# Altium PCB ultra.PcbDoc (part 2 of 9) (continued)
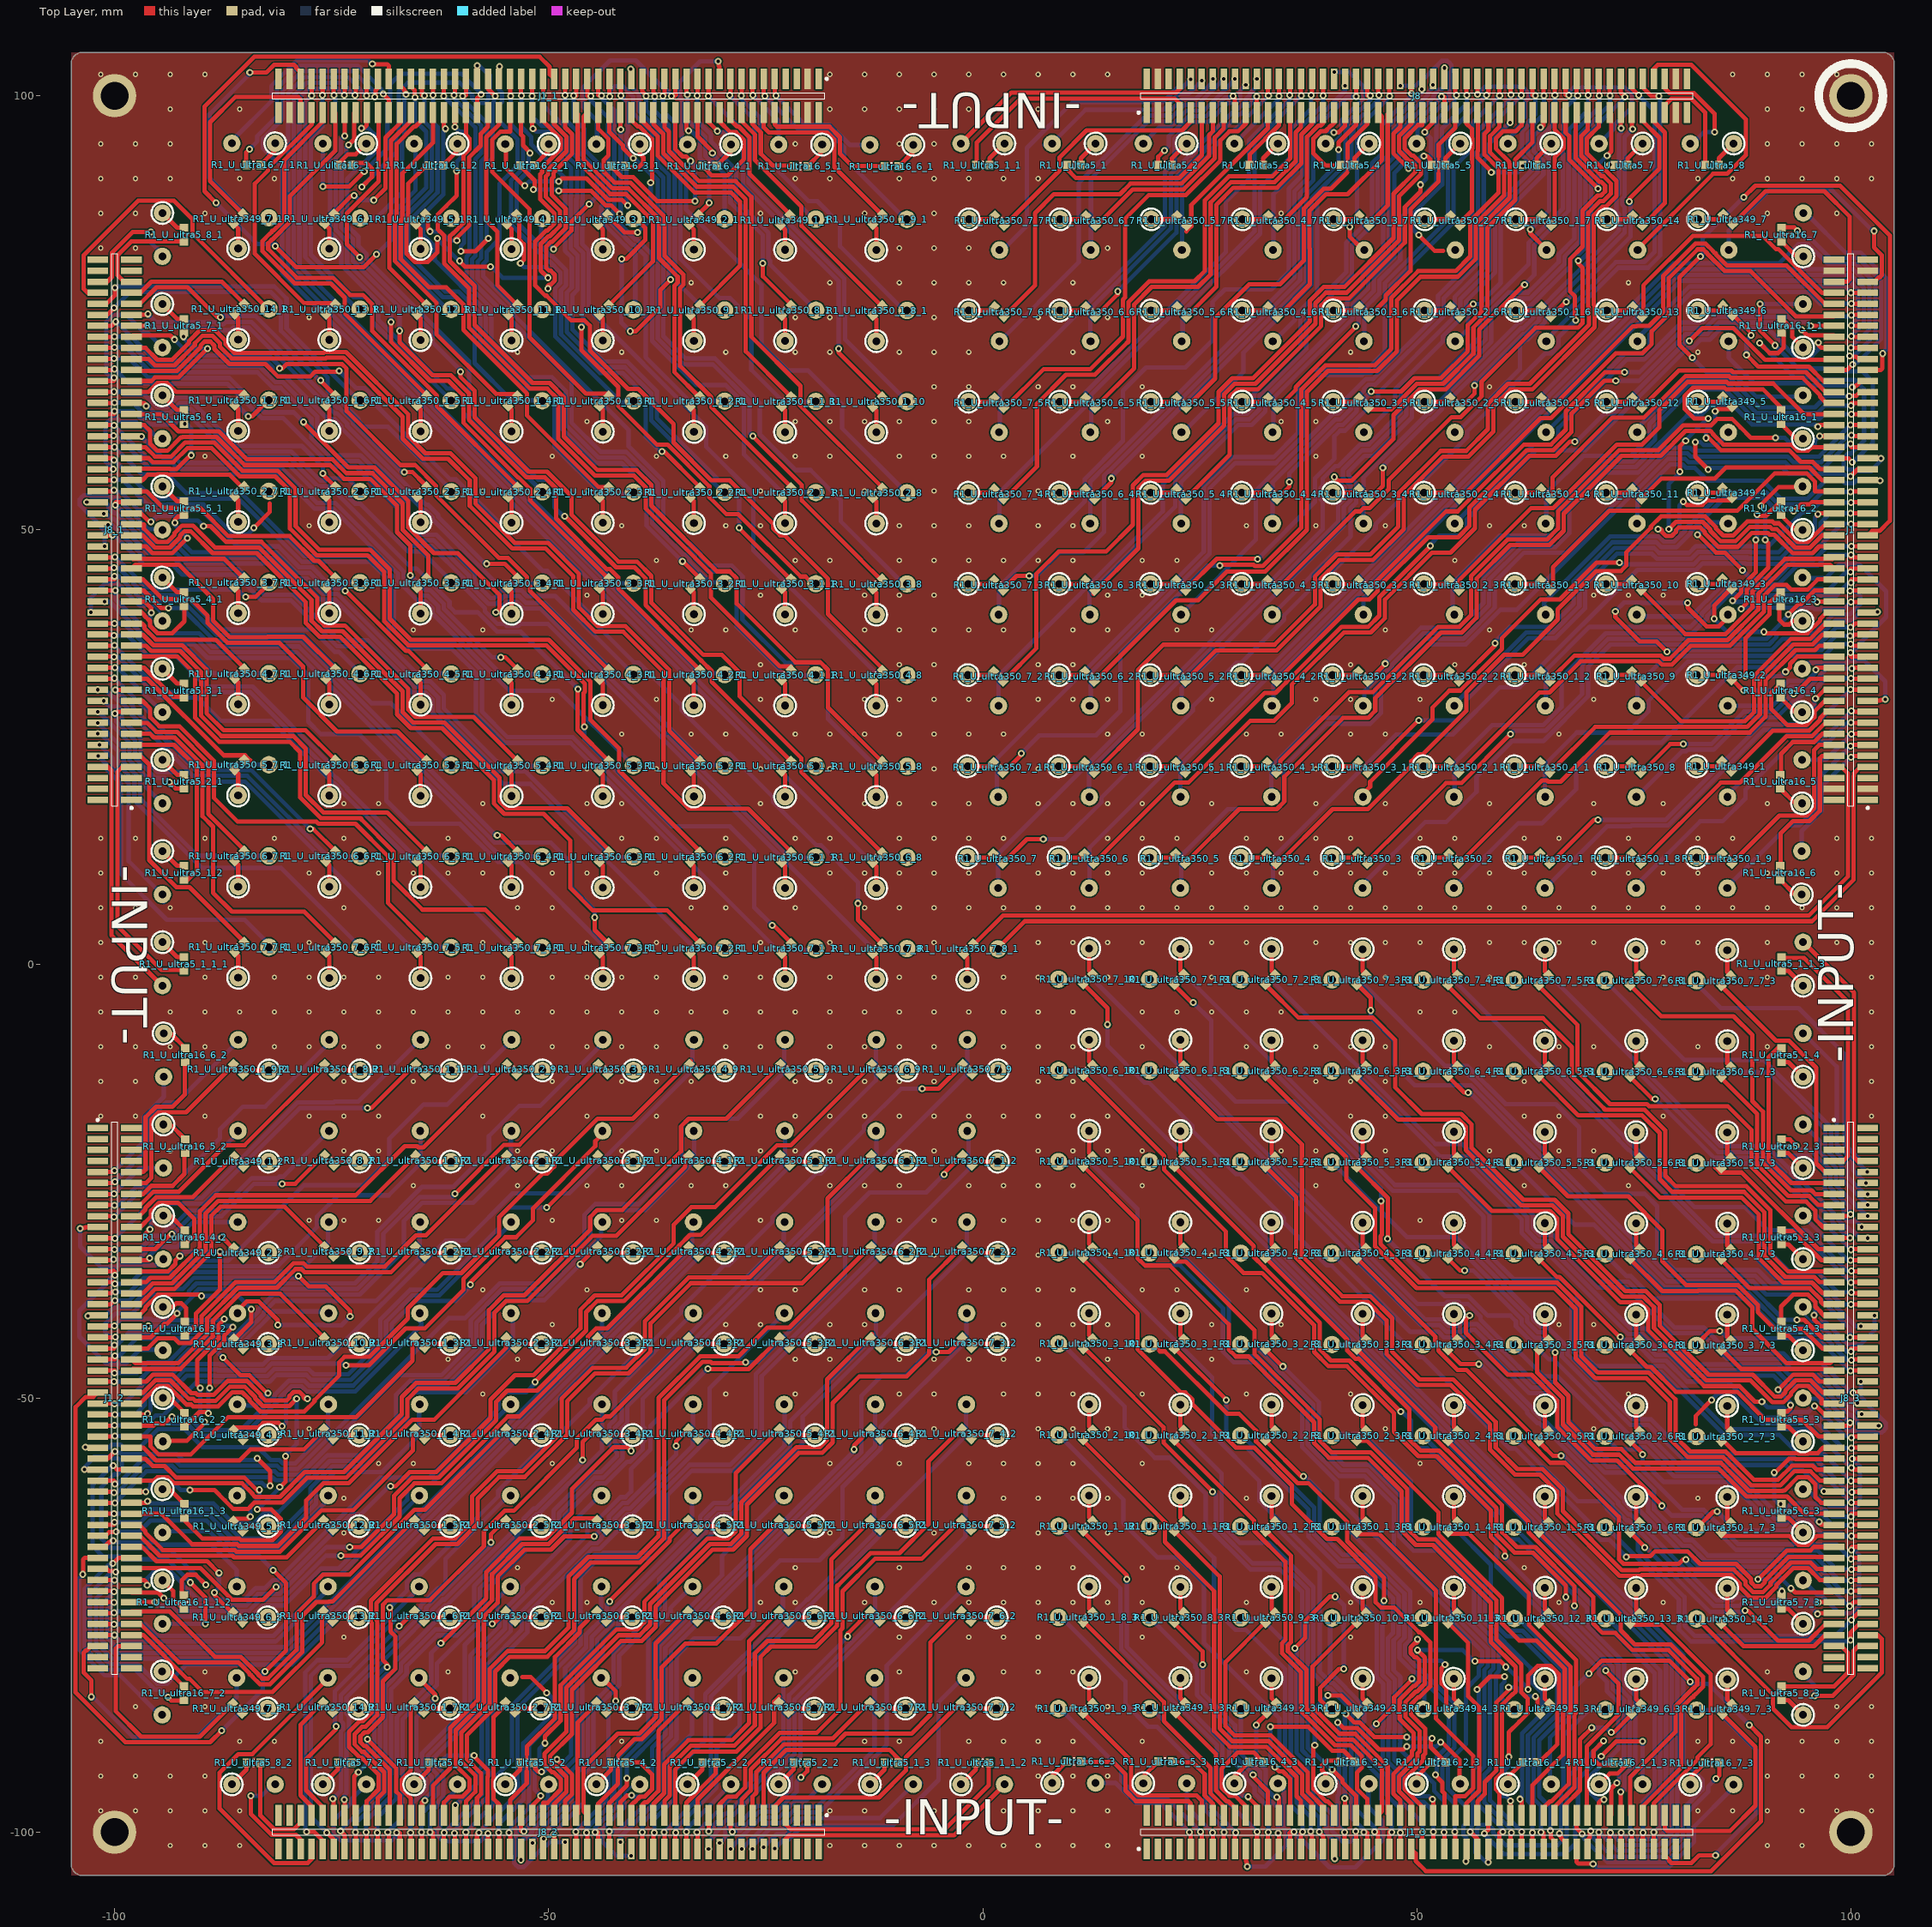
[diagram p0: Top Layer view]
## Components (designator, comment, footprint, x,y, rotation, side; value= is the part's Value field where it differs from the comment) (continued)
US1_U_ultra350_14 "Ultrasonic_10mm" ULTRA_10 73.675,84 r315 bottom (schematic designator US1)
US1_U_ultra350_14_1 "Ultrasonic_10mm" ULTRA_10 -84,73.675 r45 bottom (schematic designator US1)
US1_U_ultra350_14_2 "Ultrasonic_10mm" ULTRA_10 -73.675,-84 r135 bottom (schematic designator US1)
US1_U_ultra350_14_3 "Ultrasonic_10mm" ULTRA_10 84,-73.675 r225 bottom (schematic designator US1)

## Footprints (in the part's own frame and the unit in brackets; to place one, negate y for a bottom-side part, rotate by r counter-clockwise, add the part's x,y. Pads: shape width x height; smd on the part's side, far side on the other; paste and mask are expansions set on the pad)
R-0603-M [mm] "Chip Resistor, Body 1.6x0.8mm, IPC Medium Density"
  rect 0.9x1 smd: 1(-0.8,0) 2(0.8,0)
  silkscreen extent -0.05,-0.4 0.05,0.4, body extent -0.87,-0.47 0.88,0.48, height 0.55
SOP127P640X300-100L [mm] "SOP, 100-Leads, Body 63.55x1.50mm, Pitch 1.27mm, IPC High Density"
  rect 2.4x0.74 smd: 1(-1.95,31.115) 2(1.95,31.115) 3(-1.95,29.845) 4(1.95,29.845) 5(-1.95,28.575) 6(1.95,28.575) 7(-1.95,27.305) 8(1.95,27.305) 9(-1.95,26.035) 10(1.95,26.035) 11(-1.95,24.765) 12(1.95,24.765) 13(-1.95,23.495) 14(1.95,23.495) 15(-1.95,22.225) 16(1.95,22.225) 17(-1.95,20.955) 18(1.95,20.955) 19(-1.95,19.685) 20(1.95,19.685) 21(-1.95,18.415) 22(1.95,18.415) 23(-1.95,17.145) 24(1.95,17.145) 25(-1.95,15.875) 26(1.95,15.875) 27(-1.95,14.605) 28(1.95,14.605) 29(-1.95,13.335) 30(1.95,13.335) 31(-1.95,12.065) 32(1.95,12.065) 33(-1.95,10.795) 34(1.95,10.795) 35(-1.95,9.525) 36(1.95,9.525) 37(-1.95,8.255) 38(1.95,8.255) 39(-1.95,6.985) 40(1.95,6.985) 41(-1.95,5.715) 42(1.95,5.715) 43(-1.95,4.445) 44(1.95,4.445) 45(-1.95,3.175) 46(1.95,3.175) 47(-1.95,1.905) 48(1.95,1.905) 49(-1.95,0.635) 50(1.95,0.635) 51(-1.95,-0.635) 52(1.95,-0.635) 53(-1.95,-1.905) 54(1.95,-1.905) 55(-1.95,-3.175) 56(1.95,-3.175) 57(-1.95,-4.445) 58(1.95,-4.445) 59(-1.95,-5.715) 60(1.95,-5.715) 61(-1.95,-6.985) 62(1.95,-6.985) 63(-1.95,-8.255) 64(1.95,-8.255) 65(-1.95,-9.525) 66(1.95,-9.525) 67(-1.95,-10.795) 68(1.95,-10.795) 69(-1.95,-12.065) 70(1.95,-12.065) 71(-1.95,-13.335) 72(1.95,-13.335) 73(-1.95,-14.605) 74(1.95,-14.605) 75(-1.95,-15.875) 76(1.95,-15.875) 77(-1.95,-17.145) 78(1.95,-17.145) 79(-1.95,-18.415) 80(1.95,-18.415) 81(-1.95,-19.685) 82(1.95,-19.685) 83(-1.95,-20.955) 84(1.95,-20.955) 85(-1.95,-22.225) 86(1.95,-22.225) 87(-1.95,-23.495) 88(1.95,-23.495) 89(-1.95,-24.765) 90(1.95,-24.765) 92(1.95,-26.035) 93(-1.95,-27.305) 94(1.95,-27.305) 95(-1.95,-28.575) 96(1.95,-28.575) 97(-1.95,-29.845) 98(1.95,-29.845) 99(-1.95,-31.115) 100(1.95,-31.115)
  rect 2.4x0.74 smd paste+0: 91(-1.95,-26.035)
  silkscreen extent -2.08,-31.8 0.35,32.16
ULTRA_10 [mm]
  round 2 hole 0.9: 1(-2.5,0) 2(2.5,0)
  silkscreen extent -4.9,-4.9 4.9,4.9, body extent -4.95,-4.95 4.95,4.95, height 8.1

## Part data
J1 J1_1 J1_2 J1_3 J8 J8_1 J8_2 J8_3: library part PIN_HEADER_1.27_2x50
R1_U_ultra5_1 R1_U_ultra5_1_1 R1_U_ultra5_1_1_1 R1_U_ultra5_1_1_2 R1_U_ultra5_1_1_3 R1_U_ultra5_1_2 R1_U_ultra5_1_3 R1_U_ultra5_1_4 R1_U_ultra5_2 R1_U_ultra5_2_1 R1_U_ultra5_2_2 R1_U_ultra5_2_3 R1_U_ultra5_3 R1_U_ultra5_3_1 R1_U_ultra5_3_2 R1_U_ultra5_3_3 R1_U_ultra5_4 R1_U_ultra5_4_1 R1_U_ultra5_4_2 R1_U_ultra5_4_3 R1_U_ultra5_5 R1_U_ultra5_5_1 R1_U_ultra5_5_2 R1_U_ultra5_5_3 R1_U_ultra5_6 R1_U_ultra5_6_1 R1_U_ultra5_6_2 R1_U_ultra5_6_3 R1_U_ultra5_7 R1_U_ultra5_7_1 R1_U_ultra5_7_2 R1_U_ultra5_7_3 R1_U_ultra5_8 R1_U_ultra5_8_1 R1_U_ultra5_8_2 R1_U_ultra5_8_3 R1_U_ultra16_1 R1_U_ultra16_1_1 R1_U_ultra16_1_1_1 R1_U_ultra16_1_1_2 R1_U_ultra16_1_1_3 R1_U_ultra16_1_2 R1_U_ultra16_1_3 R1_U_ultra16_1_4 R1_U_ultra16_2 R1_U_ultra16_2_1 R1_U_ultra16_2_2 R1_U_ultra16_2_3 R1_U_ultra16_3 R1_U_ultra16_3_1 R1_U_ultra16_3_2 R1_U_ultra16_3_3 R1_U_ultra16_4 R1_U_ultra16_4_1 R1_U_ultra16_4_2 R1_U_ultra16_4_3 R1_U_ultra16_5 R1_U_ultra16_5_1 R1_U_ultra16_5_2 R1_U_ultra16_5_3 R1_U_ultra16_6 R1_U_ultra16_6_1 R1_U_ultra16_6_2 R1_U_ultra16_6_3 R1_U_ultra16_7 R1_U_ultra16_7_1 R1_U_ultra16_7_2 R1_U_ultra16_7_3 R1_U_ultra349_1 R1_U_ultra349_1_1 R1_U_ultra349_1_2 R1_U_ultra349_1_3 R1_U_ultra349_2 R1_U_ultra349_2_1 R1_U_ultra349_2_2 R1_U_ultra349_2_3 R1_U_ultra349_3 R1_U_ultra349_3_1 R1_U_ultra349_3_2 R1_U_ultra349_3_3 R1_U_ultra349_4 R1_U_ultra349_4_1 R1_U_ultra349_4_2 R1_U_ultra349_4_3 R1_U_ultra349_5 R1_U_ultra349_5_1 R1_U_ultra349_5_2 R1_U_ultra349_5_3 R1_U_ultra349_6 R1_U_ultra349_6_1 R1_U_ultra349_6_2 R1_U_ultra349_6_3 R1_U_ultra349_7 R1_U_ultra349_7_1 R1_U_ultra349_7_2 R1_U_ultra349_7_3 R1_U_ultra350_1 R1_U_ultra350_1_1 R1_U_ultra350_1_1_1 R1_U_ultra350_1_1_2 R1_U_ultra350_1_1_3 R1_U_ultra350_1_2 R1_U_ultra350_1_2_1 R1_U_ultra350_1_2_2 R1_U_ultra350_1_2_3 R1_U_ultra350_1_3 R1_U_ultra350_1_3_1 R1_U_ultra350_1_3_2 R1_U_ultra350_1_3_3 R1_U_ultra350_1_4 R1_U_ultra350_1_4_1 R1_U_ultra350_1_4_2 R1_U_ultra350_1_4_3 R1_U_ultra350_1_5 R1_U_ultra350_1_5_1 R1_U_ultra350_1_5_2 R1_U_ultra350_1_5_3 R1_U_ultra350_1_6 R1_U_ultra350_1_6_1 R1_U_ultra350_1_6_2 R1_U_ultra350_1_6_3 R1_U_ultra350_1_7 R1_U_ultra350_1_7_1 R1_U_ultra350_1_7_2 R1_U_ultra350_1_7_3 R1_U_ultra350_1_8 R1_U_ultra350_1_8_1 R1_U_ultra350_1_8_2 R1_U_ultra350_1_8_3 R1_U_ultra350_1_9 R1_U_ultra350_1_9_1 R1_U_ultra350_1_9_2 R1_U_ultra350_1_9_3 R1_U_ultra350_1_10 R1_U_ultra350_1_11 R1_U_ultra350_1_12 R1_U_ultra350_2 R1_U_ultra350_2_1 R1_U_ultra350_2_1_1 R1_U_ultra350_2_1_2 R1_U_ultra350_2_1_3 R1_U_ultra350_2_2 R1_U_ultra350_2_2_1 R1_U_ultra350_2_2_2 R1_U_ultra350_2_2_3 R1_U_ultra350_2_3 R1_U_ultra350_2_3_1 R1_U_ultra350_2_3_2 R1_U_ultra350_2_3_3 R1_U_ultra350_2_4 R1_U_ultra350_2_4_1 R1_U_ultra350_2_4_2 R1_U_ultra350_2_4_3 R1_U_ultra350_2_5 R1_U_ultra350_2_5_1 R1_U_ultra350_2_5_2 R1_U_ultra350_2_5_3 R1_U_ultra350_2_6 R1_U_ultra350_2_6_1 R1_U_ultra350_2_6_2 R1_U_ultra350_2_6_3 R1_U_ultra350_2_7 R1_U_ultra350_2_7_1 R1_U_ultra350_2_7_2 R1_U_ultra350_2_7_3 R1_U_ultra350_2_8 R1_U_ultra350_2_9 R1_U_ultra350_2_10 R1_U_ultra350_3 R1_U_ultra350_3_1 R1_U_ultra350_3_1_1 R1_U_ultra350_3_1_2 R1_U_ultra350_3_1_3 R1_U_ultra350_3_2 R1_U_ultra350_3_2_1 R1_U_ultra350_3_2_2 R1_U_ultra350_3_2_3 R1_U_ultra350_3_3 R1_U_ultra350_3_3_1 R1_U_ultra350_3_3_2 R1_U_ultra350_3_3_3 R1_U_ultra350_3_4 R1_U_ultra350_3_4_1 R1_U_ultra350_3_4_2 R1_U_ultra350_3_4_3 R1_U_ultra350_3_5 R1_U_ultra350_3_5_1 R1_U_ultra350_3_5_2 R1_U_ultra350_3_5_3 R1_U_ultra350_3_6 R1_U_ultra350_3_6_1 R1_U_ultra350_3_6_2 R1_U_ultra350_3_6_3 R1_U_ultra350_3_7 R1_U_ultra350_3_7_1 R1_U_ultra350_3_7_2 R1_U_ultra350_3_7_3 R1_U_ultra350_3_8 R1_U_ultra350_3_9 R1_U_ultra350_3_10 R1_U_ultra350_4 R1_U_ultra350_4_1 R1_U_ultra350_4_1_1 R1_U_ultra350_4_1_2 R1_U_ultra350_4_1_3 R1_U_ultra350_4_2 R1_U_ultra350_4_2_1 R1_U_ultra350_4_2_2 R1_U_ultra350_4_2_3 R1_U_ultra350_4_3 R1_U_ultra350_4_3_1 R1_U_ultra350_4_3_2 R1_U_ultra350_4_3_3 R1_U_ultra350_4_4 R1_U_ultra350_4_4_1 R1_U_ultra350_4_4_2 R1_U_ultra350_4_4_3 R1_U_ultra350_4_5 R1_U_ultra350_4_5_1 R1_U_ultra350_4_5_2 R1_U_ultra350_4_5_3 R1_U_ultra350_4_6 R1_U_ultra350_4_6_1 R1_U_ultra350_4_6_2 R1_U_ultra350_4_6_3 R1_U_ultra350_4_7 R1_U_ultra350_4_7_1 R1_U_ultra350_4_7_2 R1_U_ultra350_4_7_3 R1_U_ultra350_4_8 R1_U_ultra350_4_9 R1_U_ultra350_4_10 R1_U_ultra350_5 R1_U_ultra350_5_1 R1_U_ultra350_5_1_1 R1_U_ultra350_5_1_2 R1_U_ultra350_5_1_3 R1_U_ultra350_5_2 R1_U_ultra350_5_2_1 R1_U_ultra350_5_2_2 R1_U_ultra350_5_2_3 R1_U_ultra350_5_3 R1_U_ultra350_5_3_1 R1_U_ultra350_5_3_2 R1_U_ultra350_5_3_3 R1_U_ultra350_5_4 R1_U_ultra350_5_4_1 R1_U_ultra350_5_4_2 R1_U_ultra350_5_4_3 R1_U_ultra350_5_5 R1_U_ultra350_5_5_1 R1_U_ultra350_5_5_2 R1_U_ultra350_5_5_3 R1_U_ultra350_5_6 R1_U_ultra350_5_6_1 R1_U_ultra350_5_6_2 R1_U_ultra350_5_6_3 R1_U_ultra350_5_7 R1_U_ultra350_5_7_1 R1_U_ultra350_5_7_2 R1_U_ultra350_5_7_3 R1_U_ultra350_5_8 R1_U_ultra350_5_9 R1_U_ultra350_5_10 R1_U_ultra350_6 R1_U_ultra350_6_1 R1_U_ultra350_6_1_1 R1_U_ultra350_6_1_2 R1_U_ultra350_6_1_3 R1_U_ultra350_6_2 R1_U_ultra350_6_2_1 R1_U_ultra350_6_2_2 R1_U_ultra350_6_2_3 R1_U_ultra350_6_3 R1_U_ultra350_6_3_1 R1_U_ultra350_6_3_2 R1_U_ultra350_6_3_3 R1_U_ultra350_6_4 R1_U_ultra350_6_4_1 R1_U_ultra350_6_4_2 R1_U_ultra350_6_4_3 R1_U_ultra350_6_5 R1_U_ultra350_6_5_1 R1_U_ultra350_6_5_2 R1_U_ultra350_6_5_3 R1_U_ultra350_6_6 R1_U_ultra350_6_6_1 R1_U_ultra350_6_6_2 R1_U_ultra350_6_6_3 R1_U_ultra350_6_7 R1_U_ultra350_6_7_1 R1_U_ultra350_6_7_2 R1_U_ultra350_6_7_3 R1_U_ultra350_6_8 R1_U_ultra350_6_9 R1_U_ultra350_6_10 R1_U_ultra350_7 R1_U_ultra350_7_1 R1_U_ultra350_7_1_1 R1_U_ultra350_7_1_2 R1_U_ultra350_7_1_3 R1_U_ultra350_7_2 R1_U_ultra350_7_2_1 R1_U_ultra350_7_2_2 R1_U_ultra350_7_2_3 R1_U_ultra350_7_3 R1_U_ultra350_7_3_1 R1_U_ultra350_7_3_2 R1_U_ultra350_7_3_3 R1_U_ultra350_7_4 R1_U_ultra350_7_4_1 R1_U_ultra350_7_4_2 R1_U_ultra350_7_4_3 R1_U_ultra350_7_5 R1_U_ultra350_7_5_1 R1_U_ultra350_7_5_2 R1_U_ultra350_7_5_3 R1_U_ultra350_7_6 R1_U_ultra350_7_6_1 R1_U_ultra350_7_6_2 R1_U_ultra350_7_6_3 R1_U_ultra350_7_7 R1_U_ultra350_7_7_1 R1_U_ultra350_7_7_2 R1_U_ultra350_7_7_3 R1_U_ultra350_7_8 R1_U_ultra350_7_8_1 R1_U_ultra350_7_9 R1_U_ultra350_7_10 R1_U_ultra350_8 R1_U_ultra350_8_1 R1_U_ultra350_8_2 R1_U_ultra350_8_3 R1_U_ultra350_9 R1_U_ultra350_9_1 R1_U_ultra350_9_2 R1_U_ultra350_9_3 R1_U_ultra350_10 R1_U_ultra350_10_1 R1_U_ultra350_10_2 R1_U_ultra350_10_3 R1_U_ultra350_11 R1_U_ultra350_11_1 R1_U_ultra350_11_2 R1_U_ultra350_11_3 R1_U_ultra350_12 R1_U_ultra350_12_1 R1_U_ultra350_12_2 R1_U_ultra350_12_3 R1_U_ultra350_13 R1_U_ultra350_13_1 R1_U_ultra350_13_2 R1_U_ultra350_13_3 R1_U_ultra350_14 R1_U_ultra350_14_1 R1_U_ultra350_14_2 R1_U_ultra350_14_3: library part R-0603-0, "Resistor 0", Supplier Part Number 1=71-CRCW0603-0-E3, Resistance=0, Supplier 1=Mouser

## Free pads (board coordinates)
  round 5 hole 3.2: 4(-100,-100) 4(-100,100) 4(100,-100) 4(100,100)

## Via types
v1: diameter 0.6, hole 0.3, Top Layer to Bottom Layer, tented both sides, 784 vias
v2: diameter 0.8, hole 0.4, Top Layer to Bottom Layer, tented both sides, 756 vias

## Nets (pads, with @x,y where several pads share a name; then routed paths per layer and width w, separated by ;. In a path a pad name is that pad's centre, name@x,y a point inside that pad or via, vN(x,y) a via of type N, cw(c..) or ccw(c..) an arc to the next point about the centre after c; other vN are vias at no path point)
5V: J1.5 J1.6 J8.5 J8.6
GND: J1.3 J1.4 J1.97 J1.98 J1_1.3 J1_1.4 J1_1.97 J1_1.98 J8.3 J8.4 J8.97 J8.98 pad.4
  other v1: -93.606,-101.542 -89.606,-101.542 -85.606,-101.542 -17.606,-101.542 -13.606,-101.542 -9.606,-101.542 -5.606,-101.542 -1.606,-101.542 2.394,-101.542 6.394,-101.542 10.394,-101.542 14.394,-101.542 90.394,-101.542 94.394,-101.542 -101.606,-97.542 -97.606,-97.542 -93.606,-97.542 -89.606,-97.542 -85.606,-97.542 -17.606,-97.542 -13.606,-97.542 -5.606,-97.542 2.394,-97.542 6.394,-97.542 10.394,-97.542 14.394,-97.542 82.394,-97.542 86.394,-97.542 90.394,-97.542 94.394,-97.542 98.394,-97.542 102.394,-97.542 -101.606,-93.542 -97.606,-93.542 -93.606,-93.542 -89.606,-93.542 6.394,-93.542 10.394,-93.542 14.394,-93.542 90.394,-93.542 94.394,-93.542 98.394,-93.542 102.394,-93.542 -101.606,-89.542 -85.606,-89.542 -81.606,-89.542 -41.606,-89.542 -13.606,-89.542 -9.606,-89.542 -1.606,-89.542 2.394,-89.542 6.394,-89.542 10.394,-89.542 18.394,-89.542 82.394,-89.542 86.394,-89.542 90.394,-89.542 94.394,-89.542 98.394,-89.542 102.394,-89.542 -97.606,-85.542 -89.606,-85.542 -17.606,-85.542 6.394,-85.542 10.394,-85.542 14.394,-85.542 98.394,-85.542 102.394,-85.542 -89.606,-81.542 -61.606,-81.542 -21.606,-81.542 -9.606,-81.542 2.394,-81.542 6.394,-81.542 10.394,-81.542 30.394,-81.542 90.394,-81.542 -73.606,-77.542 -9.606,-77.542 -1.606,-77.542 2.394,-77.542 6.394,-77.542 18.394,-77.542 42.394,-77.542 -49.606,-73.542 -45.606,-73.542 -25.606,-73.542 -21.606,-73.542 -13.606,-73.542 -5.606,-73.542 -1.606,-73.542 2.394,-73.542 6.394,-73.542 10.394,-73.542 14.394,-73.542 18.394,-73.542 30.394,-73.542 42.394,-73.542 50.394,-73.542 66.394,-73.542 78.394,-73.542 -53.606,-69.542 -21.606,-69.542 -9.606,-69.542 -1.606,-69.542 2.394,-69.542 6.394,-69.542 10.394,-69.542 18.394,-69.542 22.394,-69.542 62.394,-69.542 -73.606,-65.542 -17.606,-65.542 -5.606,-65.542 6.394,-65.542 14.394,-65.542 -73.606,-61.542 2.394,-61.542 6.394,-61.542 10.394,-61.542 14.394,-61.542 30.394,-61.542 82.394,-61.542 -69.606,-57.542 -65.606,-57.542 -49.606,-57.542 -17.606,-57.542 -9.606,-57.542 -1.606,-57.542 2.394,-57.542 6.394,-57.542 10.394,-57.542 18.394,-57.542 50.394,-57.542 -77.606,-53.542 -5.606,-53.542 6.394,-53.542 10.394,-53.542 14.394,-53.542 46.394,-53.542 70.394,-53.542 -57.606,-49.542 -29.606,-49.542 -21.606,-49.542 -9.606,-49.542 -5.606,-49.542 2.394,-49.542 6.394,-49.542 10.394,-49.542 18.394,-49.542 30.394,-49.542 42.394,-49.542 74.394,-49.542 -61.606,-45.542 -53.606,-45.542 -21.606,-45.542 -17.606,-45.542 -9.606,-45.542 -5.606,-45.542 -1.606,-45.542 2.394,-45.542 6.394,-45.542 14.394,-45.542 26.394,-45.542 -49.606,-41.542 -29.606,-41.542 -25.606,-41.542 -17.606,-41.542 -13.606,-41.542 2.394,-41.542 6.394,-41.542 10.394,-41.542 14.394,-41.542 26.394,-41.542 34.394,-41.542 66.394,-41.542 70.394,-41.542 -57.606,-37.542 -45.606,-37.542 -25.606,-37.542 -21.606,-37.542 -13.606,-37.542 -9.606,-37.542 -1.606,-37.542 2.394,-37.542 6.394,-37.542 10.394,-37.542 18.394,-37.542 22.394,-37.542 30.394,-37.542 -5.606,-33.542 6.394,-33.542 14.394,-33.542 26.394,-33.542 -77.606,-29.542 -73.606,-29.542 -69.606,-29.542 -49.606,-29.542 -41.606,-29.542 -37.606,-29.542 -25.606,-29.542 -9.606,-29.542 -5.606,-29.542 2.394,-29.542 6.394,-29.542 10.394,-29.542 14.394,-29.542 50.394,-29.542 -65.606,-25.542 -53.606,-25.542 -45.606,-25.542 -41.606,-25.542 -33.606,-25.542 -29.606,-25.542 -17.606,-25.542 -13.606,-25.542 -9.606,-25.542 -1.606,-25.542 2.394,-25.542 6.394,-25.542 10.394,-25.542 18.394,-25.542 38.394,-25.542 62.394,-25.542 74.394,-25.542 -93.606,-21.542 -73.606,-21.542 -69.606,-21.542 -53.606,-21.542 -49.606,-21.542 -41.606,-21.542 -37.606,-21.542 -25.606,-21.542 -21.606,-21.542 -17.606,-21.542 -9.606,-21.542 -5.606,-21.542 6.394,-21.542 10.394,-21.542 14.394,-21.542 18.394,-21.542 34.394,-21.542 38.394,-21.542 46.394,-21.542 58.394,-21.542 66.394,-21.542 70.394,-21.542 -101.606,-17.542 -97.606,-17.542 -89.606,-17.542 -77.606,-17.542 -73.606,-17.542 -69.606,-17.542 -57.606,-17.542 -45.606,-17.542 -37.606,-17.542 -25.606,-17.542 -21.606,-17.542 -17.606,-17.542 -13.606,-17.542 -9.606,-17.542 -5.606,-17.542 -1.606,-17.542 2.394,-17.542 6.394,-17.542 10.394,-17.542 14.394,-17.542 42.394,-17.542 46.394,-17.542 62.394,-17.542 66.394,-17.542 78.394,-17.542 102.394,-17.542 -101.606,-13.542 -97.606,-13.542 -73.606,-13.542 -65.606,-13.542 -49.606,-13.542 -41.606,-13.542 -37.606,-13.542 -33.606,-13.542 -21.606,-13.542 -17.606,-13.542 -13.606,-13.542 -9.606,-13.542 -5.606,-13.542 6.394,-13.542 10.394,-13.542 38.394,-13.542 42.394,-13.542 46.394,-13.542 62.394,-13.542 102.394,-13.542 -101.606,-9.542 -97.606,-9.542 -93.606,-9.542 -89.606,-9.542 -81.606,-9.542 -77.606,-9.542 -73.606,-9.542 -69.606,-9.542 -61.606,-9.542 -57.606,-9.542 -49.606,-9.542 -45.606,-9.542 -41.606,-9.542 -37.606,-9.542 -29.606,-9.542 -25.606,-9.542 -17.606,-9.542 -13.606,-9.542 -9.606,-9.542 -5.606,-9.542 2.394,-9.542 6.394,-9.542 10.394,-9.542 18.394,-9.542 30.394,-9.542 38.394,-9.542 42.394,-9.542 46.394,-9.542 58.394,-9.542 66.394,-9.542 70.394,-9.542 82.394,-9.542 90.394,-9.542 102.394,-9.542 -101.606,-5.542 -97.606,-5.542 -93.606,-5.542 -89.606,-5.542 -85.606,-5.542 -81.606,-5.542 -77.606,-5.542 -73.606,-5.542 -69.606,-5.542 -65.606,-5.542 -61.606,-5.542 -57.606,-5.542 -53.606,-5.542 -49.606,-5.542 -45.606,-5.542 -41.606,-5.542 -37.606,-5.542 -33.606,-5.542 -29.606,-5.542 -25.606,-5.542 -21.606,-5.542 -17.606,-5.542 -13.606,-5.542 -9.606,-5.542 -5.606,-5.542 -1.606,-5.542 2.394,-5.542 6.394,-5.542 10.394,-5.542 18.394,-5.542 22.394,-5.542 26.394,-5.542 30.394,-5.542 34.394,-5.542 50.394,-5.542 54.394,-5.542 98.394,-5.542 102.394,-5.542 -101.606,-1.542 -97.606,-1.542 -89.606,-1.542 -81.606,-1.542 -77.606,-1.542 -73.606,-1.542 -69.606,-1.542 -61.606,-1.542 -57.606,-1.542 -49.606,-1.542 -45.606,-1.542 -41.606,-1.542 -37.606,-1.542 -29.606,-1.542 -25.606,-1.542 -17.606,-1.542 -9.606,-1.542 -5.606,-1.542 2.394,-1.542 6.394,-1.542 14.394,-1.542 26.394,-1.542 38.394,-1.542 46.394,-1.542 58.394,-1.542 78.394,-1.542 90.394,-1.542 102.394,-1.542 -101.606,2.458 -89.606,2.458 -77.606,2.458 -69.606,2.458 -57.606,2.458 -45.606,2.458 -37.606,2.458 -25.606,2.458 -17.606,2.458 -5.606,2.458 6.394,2.458 10.394,2.458 14.394,2.458 18.394,2.458 26.394,2.458 30.394,2.458 38.394,2.458 42.394,2.458 46.394,2.458 50.394,2.458 58.394,2.458 62.394,2.458 66.394,2.458 70.394,2.458 78.394,2.458 82.394,2.458 90.394,2.458 98.394,2.458 102.394,2.458 -101.606,6.458 -97.606,6.458 -93.606,6.458 -73.606,6.458 -53.606,6.458 -49.606,6.458 -33.606,6.458 -29.606,6.458 -21.606,6.458 -13.606,6.458 -9.606,6.458 -5.606,6.458 -1.606,6.458 2.394,6.458 6.394,6.458 10.394,6.458 14.394,6.458 18.394,6.458 22.394,6.458 26.394,6.458 30.394,6.458 34.394,6.458 38.394,6.458 42.394,6.458 46.394,6.458 50.394,6.458 54.394,6.458 58.394,6.458 62.394,6.458 66.394,6.458 70.394,6.458 74.394,6.458 78.394,6.458 82.394,6.458 86.394,6.458 90.394,6.458 94.394,6.458 98.394,6.458 102.394,6.458 -101.606,10.458 -77.606,10.458 -69.606,10.458 -65.606,10.458 -61.606,10.458 -57.606,10.458 -49.606,10.458 -45.606,10.458 -37.606,10.458 -29.606,10.458 -17.606,10.458 -13.606,10.458 -9.606,10.458 -5.606,10.458 -1.606,10.458 6.394,10.458 10.394,10.458 14.394,10.458 18.394,10.458 26.394,10.458 30.394,10.458 34.394,10.458 38.394,10.458 42.394,10.458 46.394,10.458 50.394,10.458 54.394,10.458 58.394,10.458 62.394,10.458 70.394,10.458 74.394,10.458 78.394,10.458 82.394,10.458 90.394,10.458 94.394,10.458 98.394,10.458 102.394,10.458 -101.606,14.458 -97.606,14.458 -89.606,14.458 -81.606,14.458 -73.606,14.458 -61.606,14.458 -41.606,14.458 -37.606,14.458 -29.606,14.458 -21.606,14.458 -17.606,14.458 -9.606,14.458 -5.606,14.458 -1.606,14.458 2.394,14.458 14.394,14.458 18.394,14.458 22.394,14.458 30.394,14.458 34.394,14.458 38.394,14.458 42.394,14.458 50.394,14.458 54.394,14.458 62.394,14.458 66.394,14.458 74.394,14.458 82.394,14.458 86.394,14.458 98.394,14.458 102.394,14.458 -73.606,18.458 -69.606,18.458 -57.606,18.458 -45.606,18.458 -41.606,18.458 -25.606,18.458 -13.606,18.458 -9.606,18.458 -5.606,18.458 -1.606,18.458 6.394,18.458 10.394,18.458 14.394,18.458 18.394,18.458 26.394,18.458 38.394,18.458 46.394,18.458 58.394,18.458 70.394,18.458 78.394,18.458 90.394,18.458 -69.606,22.458 -45.606,22.458 -37.606,22.458 -25.606,22.458 -17.606,22.458 -5.606,22.458 6.394,22.458 14.394,22.458 26.394,22.458 38.394,22.458 -41.606,26.458 -33.606,26.458 -29.606,26.458 -21.606,26.458 -17.606,26.458 -13.606,26.458 -9.606,26.458 -5.606,26.458 -1.606,26.458 2.394,26.458 14.394,26.458 18.394,26.458 30.394,26.458 34.394,26.458 42.394,26.458 46.394,26.458 66.394,26.458 -49.606,30.458 -37.606,30.458 -25.606,30.458 -13.606,30.458 -9.606,30.458 -5.606,30.458 -1.606,30.458 6.394,30.458 10.394,30.458 14.394,30.458 26.394,30.458 38.394,30.458 42.394,30.458 50.394,30.458 70.394,30.458 -25.606,34.458 -9.606,34.458 -5.606,34.458 6.394,34.458 10.394,34.458 42.394,34.458 54.394,34.458 62.394,34.458 -65.606,38.458 -57.606,38.458 -33.606,38.458 -29.606,38.458 -21.606,38.458 -13.606,38.458 -9.606,38.458 -5.606,38.458 -1.606,38.458 2.394,38.458 10.394,38.458 14.394,38.458 22.394,38.458 26.394,38.458 46.394,38.458 58.394,38.458 -45.606,42.458 -25.606,42.458 -13.606,42.458 -9.606,42.458 -5.606,42.458 14.394,42.458 18.394,42.458 70.394,42.458 74.394,42.458 78.394,42.458 -37.606,46.458 -21.606,46.458 -17.606,46.458 -9.606,46.458 -5.606,46.458 -1.606,46.458 2.394,46.458 6.394,46.458 10.394,46.458 18.394,46.458 22.394,46.458 54.394,46.458 -77.606,50.458 -41.606,50.458 -29.606,50.458 -25.606,50.458 -9.606,50.458 -5.606,50.458 -1.606,50.458 6.394,50.458 10.394,50.458 30.394,50.458 38.394,50.458 46.394,50.458 58.394,50.458 62.394,50.458 -57.606,54.458 -45.606,54.458 -25.606,54.458 -13.606,54.458 -5.606,54.458 6.394,54.458 66.394,54.458 -89.606,58.458 -49.606,58.458 -37.606,58.458 -29.606,58.458 -21.606,58.458 -17.606,58.458 -9.606,58.458 -5.606,58.458 -1.606,58.458 2.394,58.458 10.394,58.458 18.394,58.458 38.394,58.458 -45.606,62.458 -21.606,62.458 -17.606,62.458 -13.606,62.458 -9.606,62.458 -5.606,62.458 -1.606,62.458 14.394,62.458 34.394,62.458 38.394,62.458 -5.606,66.458 -1.606,66.458 6.394,66.458 10.394,66.458 18.394,66.458 58.394,66.458 -53.606,70.458 -41.606,70.458 -29.606,70.458 -21.606,70.458 -17.606,70.458 -9.606,70.458 -5.606,70.458 -1.606,70.458 10.394,70.458 42.394,70.458 82.394,70.458 -77.606,74.458 -21.606,74.458 -17.606,74.458 -5.606,74.458 6.394,74.458 14.394,74.458 -33.606,78.458 -17.606,78.458 -9.606,78.458 -5.606,78.458 -1.606,78.458 2.394,78.458 10.394,78.458 74.394,78.458 -101.606,82.458 -97.606,82.458 -9.606,82.458 -5.606,82.458 -1.606,82.458 14.394,82.458 -101.606,86.458 -97.606,86.458 -89.606,86.458 -25.606,86.458 -13.606,86.458 -5.606,86.458 34.394,86.458 90.394,86.458 98.394,86.458 -101.606,90.458 -97.606,90.458 -93.606,90.458 -85.606,90.458 -81.606,90.458 -21.606,90.458 -17.606,90.458 -9.606,90.458 -5.606,90.458 -1.606,90.458 2.394,90.458 6.394,90.458 82.394,90.458 86.394,90.458 90.394,90.458 94.394,90.458 98.394,90.458 102.394,90.458 -101.606,94.458 -97.606,94.458 -93.606,94.458 -21.606,94.458 -9.606,94.458 -5.606,94.458 90.394,94.458 94.394,94.458 98.394,94.458 102.394,94.458 -93.606,98.458 -85.606,98.458 -17.606,98.458 -13.606,98.458 -9.606,98.458 -5.606,98.458 -1.606,98.458 6.394,98.458 90.394,98.458 94.394,98.458 -101.606,102.458 -97.606,102.458 -93.606,102.458 -89.606,102.458 -17.606,102.458 -13.606,102.458 -9.606,102.458 -5.606,102.458 -1.606,102.458 2.394,102.458 6.394,102.458 10.394,102.458 14.394,102.458 86.394,102.458 90.394,102.458 94.394,102.458 98.394,102.458 102.394,102.458
NetJ1_7: J1.7 | length 116.4
  Top Layer w0.5: 1.511,1.587 4.836,4.913 95.54,4.913 100.33,9.703 100.33,21.615 100.35,21.635 100.35,21.961 101.084,22.695 J1.7@101.95,22.695
NetJ1_8: J1.8 | length 117.7
  Top Layer w0.5: -1.005,2.246 2.311,5.563 95.148,5.563 99.65,10.064 99.65,21.961 98.916,22.695 J1.8@98.05,22.695
NetJ1_9: J1.9 | length 14.8
  Top Layer w0.5: v2(100.025,23.825) 100.025,23.851 100,23.876 100.089,23.965 J1.9@101.95,23.965
  Bottom Layer w0.5: 94.336,13.411 94.336,15.311 96.637,17.612 96.637,20.437 v2(100.025,23.825)
NetJ1_10: J1.10 | length 17.1
  Top Layer w0.5: 91.923,11.3 91.923,15.037 93.336,16.45 95.224,16.45 96.433,17.659 96.433,23.688 96.711,23.965 J1.10@98.05,23.965
NetJ1_11: J1.11 | length 24.8
  Top Layer w0.5: v2(99.974,25.095) 100.114,25.235 J1.11@101.95,25.235
  Bottom Layer w0.5: 85.801,8.915 92.837,15.951 94.056,15.951 95.987,17.882 95.987,21.107 v2(99.974,25.095)
NetJ1_12: J1.12 | length 21.3
  Top Layer w0.5: 86.278,11.602 91.776,17.1 94.955,17.1 95.783,17.929 95.783,24.638 96.38,25.235 J1.12@98.05,25.235
NetJ1_13: J1.13 | length 9.5
  Top Layer w0.5: v2(100.076,26.492) 100.089,26.505 J1.13@101.95,26.505
  Bottom Layer w0.5: 93.675,23.52 97.104,23.52 v2(100.076,26.492)
NetJ1_14: J1.14 | length 9.4
  Top Layer w0.5: 91.973,21.8 91.973,24.206 93.325,25.558 95.769,25.558 96.715,26.505 J1.14@98.05,26.505
NetJ1_15: J1.15 | length 35
  Top Layer w0.5: v2(100,27.788) 100.012,27.775 J1.15@101.95,27.775
  Bottom Layer w0.5: 75.324,9.106 82.652,16.434 85.217,16.434 87.859,19.075 87.859,20.066 93.421,25.629 95.25,25.629 95.271,25.65 97.486,25.65 99.624,27.788 v2(100,27.788)
NetJ1_16: J1.16 | length 29
  Top Layer w0.5: 75.757,11.622 85.014,20.879 87.224,20.879 92.553,26.208 95.499,26.208 97.066,27.775 J1.16@98.05,27.775
NetJ1_17: J1.17 | length 19.8
  Top Layer w0.5: v2(100.051,29.134) 100.076,29.159 100.305,29.159 100.419,29.045 J1.17@101.95,29.045
  Bottom Layer w0.5: 86.068,19.723 92.645,26.3 97.217,26.3 v2(100.051,29.134)
NetJ1_18: J1.18 | length 14.7
  Top Layer w0.5: 86.293,22.158 90.993,26.858 95.21,26.858 96.45,28.099 96.45,28.311 97.184,29.045 J1.18@98.05,29.045
NetJ1_19: J1.19 | length 14.7
  Top Layer w0.5: J1.19@101.95,30.315 103.365,30.315 103.48,30.429 103.937,30.429 v2(103.962,30.455)
  Bottom Layer w0.5: 94.488,34.684 99.555,34.684 99.797,34.925 101.575,34.925 103.962,32.537 v2(103.962,30.455)
NetJ1_20: J1.20 | length 12.6
  Top Layer w0.5: 91.63,32.042 90.82,31.232 90.82,29.373 92.685,27.508 94.888,27.508 95.8,28.42 95.8,29.074 97.041,30.315 J1.20@98.05,30.315
NetJ1_21: J1.21 | length 46.7
  Top Layer w0.5: v2(99.974,31.623) 100,31.648 100.279,31.648 100.343,31.585 J1.21@101.95,31.585
  Bottom Layer w0.5: 64.792,8.708 71.933,15.85 74.651,15.85 74.737,15.936 78.933,15.936 89.947,26.95 95.301,26.95 v2(99.974,31.623)
NetJ1_22: J1.22 | length 42.2
  Top Layer w0.5: 65.351,11.528 70.409,16.586 v2(70.891,16.586) ; v2(95.936,30.556) 96.965,31.585 J1.22@98.05,31.585
  Bottom Layer w0.5: v2(70.891,16.586) 78.664,16.586 89.678,27.6 94.98,27.6 95.8,28.42 95.8,30.42 v2(95.936,30.556)
NetJ1_23: J1.23 | length 32
  Top Layer w0.5: v2(100,32.893) 100.038,32.855 J1.23@101.95,32.855
  Bottom Layer w0.5: 75.552,19.469 80.607,24.524 81.027,24.524 81.177,24.674 84.216,24.674 87.96,28.418 91.501,28.418 93.322,30.239 93.659,30.239 94.72,31.3 95.518,31.3 97.111,32.893 v2(100,32.893)
NetJ1_24: J1.24 | length 26.7
  Top Layer w0.5: 75.889,22.016 79.197,25.324 v2(80.696,25.324) ; v2(93.396,31.14) 93.599,31.14 95.314,32.855 J1.24@98.05,32.855
  Bottom Layer w0.5: v2(80.696,25.324) 83.947,25.324 87.691,29.068 91.231,29.068 93.304,31.14 v2(93.396,31.14)
NetJ1_25: J1.25 | length 19.1
  Top Layer w0.5: v2(100.101,34.011) 100.101,34.188 100.165,34.125 J1.25@101.95,34.125
  Bottom Layer w0.5: 84.963,29.718 90.962,29.718 92.596,31.352 92.596,31.472 93.074,31.95 95.249,31.95 96.611,33.312 96.611,33.391 97.231,34.011 v2(100.101,34.011)
NetJ1_26: J1.26 | length 13.6
  Top Layer w0.5: 86.343,32.757 87.579,31.521 v2(87.681,31.521) ; v2(95.961,33.884) 95.961,34.036 96.05,34.125 J1.26@98.05,34.125
  Bottom Layer w0.5: v2(87.681,31.521) 91.846,31.521 91.946,31.621 91.946,31.741 92.805,32.6 94.98,32.6 95.961,33.581 v2(95.961,33.884)
NetJ1_27: J1.27 | length 23.1
  Top Layer w0.5: v2(99.974,35.865) 99.974,35.484 100.127,35.331 100.19,35.395 J1.27@101.95,35.395
  Bottom Layer w0.5: 94.209,44.425 97.104,44.425 98.704,46.025 100.965,46.025 104.064,42.926 104.064,39.954 100.749,36.639 100.749,36.499 100.28,36.03 100.14,36.03 v2(99.974,35.865)
NetJ1_28: J1.28 | length 22.5
  Top Layer w0.5: v2(87.859,33.147) 87.859,37.51 90.627,40.279 90.627,41.58 91.732,42.685 ; v2(92.481,33.655) 92.497,33.64 93,34.143 93,34.58 93.82,35.4 98.05,35.4 J1.28@98.05,35.395
  Bottom Layer w0.5: v2(87.859,33.147) 91.973,33.147 v2(92.481,33.655)
NetJ1_29: J1.29 | length 60.4
  Top Layer w0.5: v2(99.949,36.83) 100.114,36.665 J1.29@101.95,36.665
  Bottom Layer w0.5: 54.534,9.042 61.671,16.18 64.414,16.18 68.351,20.117 68.351,22.479 71.374,25.502 78.232,25.502 86.92,34.19 91.657,34.19 92.967,35.5 96.902,35.5 98.232,36.83 v2(99.949,36.83)
NetJ1_30: J1.30 | length 56.2
  Top Layer w0.5: 54.839,11.532 64.44,21.133 64.999,21.133 65.151,20.98 66.573,20.98 72.238,26.645 88.341,26.645 90.17,28.473 90.17,32.669 93.651,36.15 95.875,36.15 96.39,36.665 J1.30@98.05,36.665